# Altium PCB PCB.PcbDoc
Units mil, origin at the board's own origin, x right, y up, seen from the top; angles counter-clockwise.
Board outline 3420 x 2445 mil, 2 copper layers (Top Layer, Bottom Layer); 71 components, 62 nets, 316 pads, 82 vias.
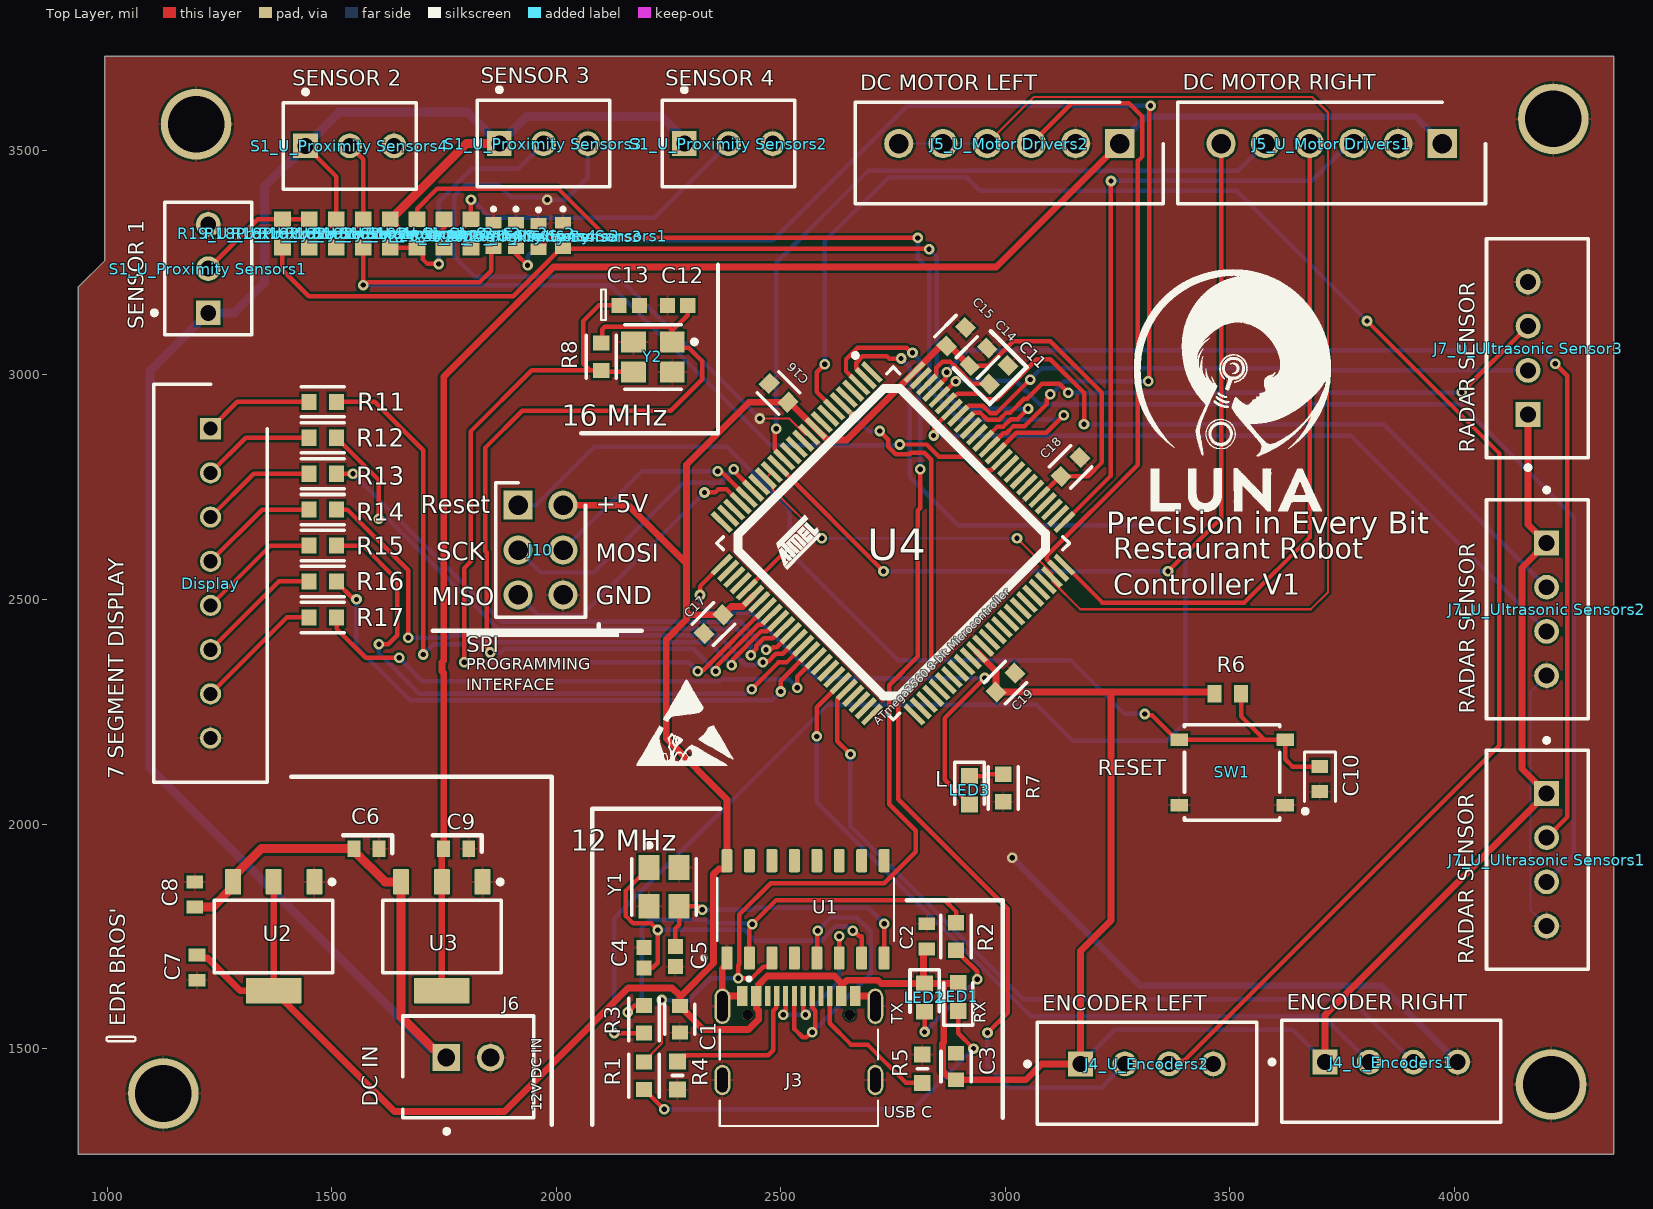
[diagram p0: Top Layer view]
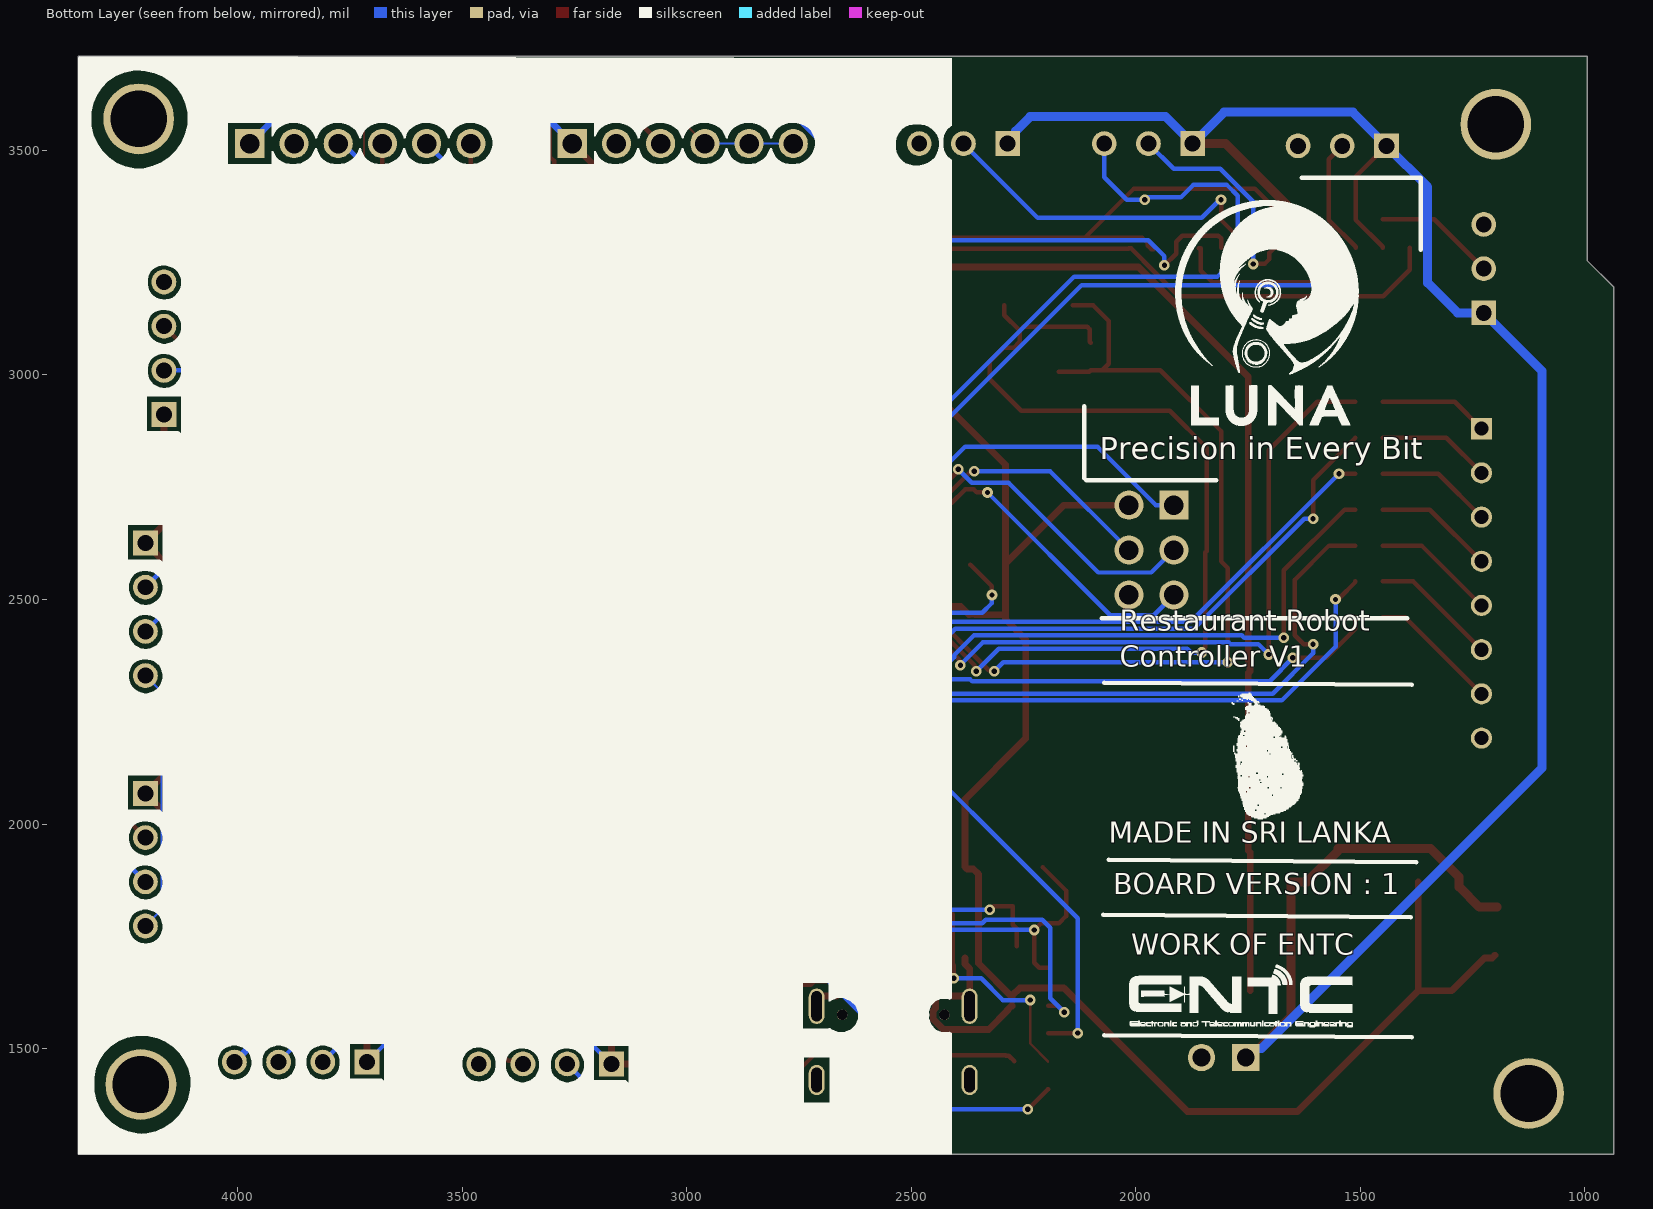
[diagram p1: Bottom Layer view, seen from below]
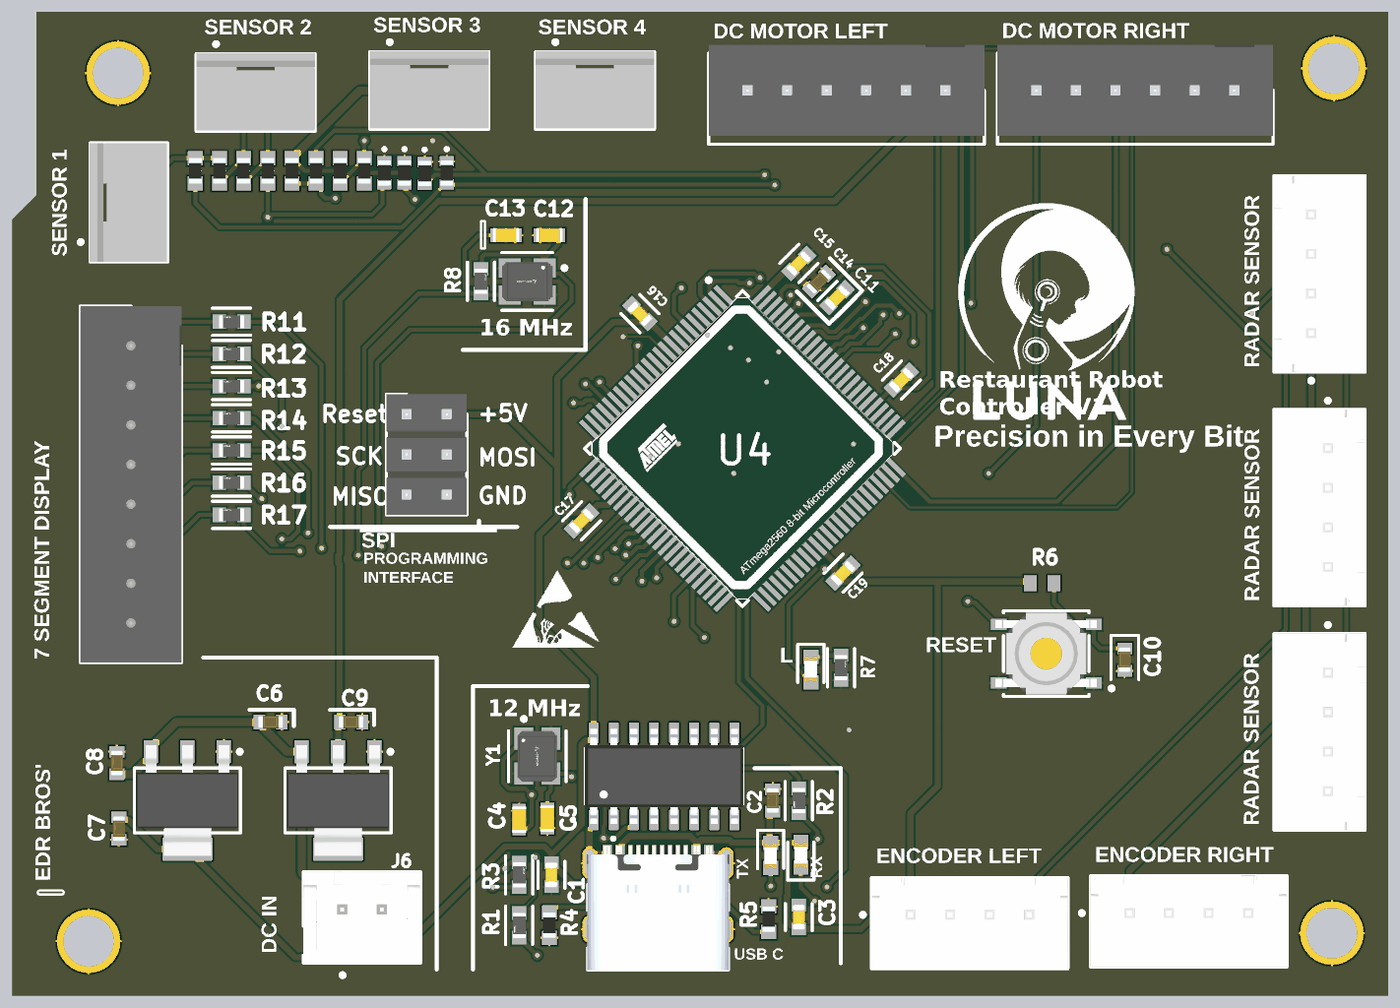
[diagram p2: 3D render of the assembled board from above, using the file's embedded part models]

## Layer stack, top to bottom
Top Solder: solder mask 0.4, Solder Resist, Dk 3.5
Top Layer: signal copper 1.4
Dielectric 1: dielectric 12.6, FR-4, Dk 4.8
Bottom Layer: signal copper 1.4
Bottom Solder: solder mask 0.4, Solder Resist, Dk 3.5

## Board outline
4355,3710 995,3710 995,3255 935,3195 935,1265 4355,1265

## Design rules (kind name [scope] priority, off if disabled: settings)
Clearance [All] p1: gap=5 ignorepadtopadclearanceinfootprint=FALSE except(0: Arc-Hole Track-Hole SMDPad-Hole THPad-Hole Via-Hole Fill-Hole Poly-Hole Region-Hole Text-Hole)
ComponentClearance [All] p1: gap=5 collisioncheckmode=3 verticalgap=5 showdistances=TRUE
DiffPairsRouting [All] p1: maxlimit=5 minlimit=5 mostfreqgap=5 toplayer_minwidth=5 toplayer_maxwidth=71497.95 toplayer_prefwidth=5 bottomlayer_minwidth=5 bottomlayer_maxwidth=71497.95 bottomlayer_prefwidth=5 maxuncoupledlength=500
Height [All] p1: minheight=0 maxheight=71497.94 prefheight=500
HoleSize [All] p1: absolutevalues=TRUE maxlimit=248.03 minlimit=11.81 maxpercent=80.000 minpercent=20.000
HoleToHoleClearance [All] p1: gap=9.84 allowstackedmicrovias=FALSE
MinimumAnnularRing [All] p1: minimumring=5
MinimumSolderMaskSliver [All] p1: minsoldermaskwidth=0
PlaneClearance [All] p1: clearance=5
PlaneConnect [All] p1: planeconnectstyle=Direct reliefexpansion=4 reliefentries=4 reliefconductorwidth=4 reliefairgap=4
PolygonConnect PolygonConnectVias [All vs IsVia] p1: connectstyle=Direct reliefconductorwidth=4 reliefentries=4 polygonreliefangle="90 Angle" airgapwidth=4
PolygonConnect PolygonConnectPowerPads [All vs InPadClass('PowerPads')] p2: connectstyle=Direct reliefconductorwidth=10 reliefentries=4 polygonreliefangle="90 Angle" airgapwidth=10
PolygonConnect [All] p3: connectstyle=Relief reliefconductorwidth=5 reliefentries=4 polygonreliefangle="90 Angle" airgapwidth=5
RoutingVias [All] p1: holewidth=11.81 width=23.62 viastyle="Through Hole" minholewidth=11.81 minwidth=23.62 maxholewidth=248.03 maxwidth=257.87
SilkToSilkClearance [All] p1: silktosilkclearance=0
SilkToSolderMaskClearance [IsPad] p1: minsilkscreentomaskgap=5 clearancetoexposedcopper=TRUE
SolderMaskExpansion [All] p1: expansion=2.95 istentingtop=FALSE
UnpouredPolygon BoardOutlineClearance [All] p2:
Width [All] p1: maxlimit=71497.94 minlimit=5 preferedwidth=5 minimp=50.000000 maximp=50.000000 favimp=50.000000
20 further rules are at their usual default settings.

## Classes and differential pairs
channel class "Ultrasonic Sensors": "U_Ultrasonic Sensor3" "U_Ultrasonic Sensors1" "U_Ultrasonic Sensors2"
channel class "Proximity Sensors": "U_Proximity Sensors1" "U_Proximity Sensors2" "U_Proximity Sensors3" "U_Proximity Sensors4"
component class "U_Proximity Sensors4": "R18_U_Proximity Sensors4" "R19_U_Proximity Sensors4" "R20_U_Proximity Sensors4" "S1_U_Proximity Sensors4"
component class "U_Proximity Sensors3": "R18_U_Proximity Sensors3" "R19_U_Proximity Sensors3" "R20_U_Proximity Sensors3" "S1_U_Proximity Sensors3"
component class "U_Proximity Sensors2": "R18_U_Proximity Sensors2" "R19_U_Proximity Sensors2" "R20_U_Proximity Sensors2" "S1_U_Proximity Sensors2"
component class "U_Proximity Sensors1": "R18_U_Proximity Sensors1" "R19_U_Proximity Sensors1" "R20_U_Proximity Sensors1" "S1_U_Proximity Sensors1"
component class "U_7 segment": Display R11 R12 R13 R14 R15 R16 R17
channel class "Motor Drivers": "U_Motor Drivers1" "U_Motor Drivers2"
channel class Encoders: U_Encoders1 U_Encoders2
component class "U_Ultrasonic Sensor3": "J7_U_Ultrasonic Sensor3"
component class "U_Ultrasonic Sensors1": "J7_U_Ultrasonic Sensors1"
component class "U_Ultrasonic Sensors2": "J7_U_Ultrasonic Sensors2"
component class U_Reset: C10 R6 SW1
component class U_PowerMCU: C6 C7 J6 U2
component class U_Power_Supply_Motor: C8 C9 U3
component class "U_Motor Drivers2": "J5_U_Motor Drivers2"
component class "U_Motor Drivers1": "J5_U_Motor Drivers1"
component class U_Encoders2: J4_U_Encoders2
component class U_Encoders1: J4_U_Encoders1
component class U_Cording: C1 C2 C3 C4 C5 J3 J10 LED1 LED2 R1 R2 R3 R4 R5 U1 Y1
component class MCU: C11 C12 C13 C14 C15 C16 C17 C18 C19 LED3 R7 R8 U4 Y2

## Components (designator, comment, footprint, x,y, rotation, side; value= is the part's Value field where it differs from the comment)
C1 "CC0603KRX7R9BB104" FP-CC0603-DA-MFG 2275,1565 r270 top value="100 nF"
C2 "CL10A106KP8NNNC" CAPC1608X90N 2825,1750 r270 top
C3 "CC0603KRX7R9BB104" FP-CC0603-DA-MFG 2890,1460 r90 top value="100 nF"
C4 "CC0603JRNPO9BN220" CAPC1608X90X40LL10T20 2195,1702.36 r270 top
C5 "CC0603JRNPO9BN220" CAPC1608X90X40LL10T20 2265,1705 r90 top
C6 "CL10A106KP8NNNC" CAPC1608X90N 1577.05,1945 r180 top
C7 "CL10A106KP8NNNC" CAPC1608X90N 1200,1680 r90 top
C8 "CL10A106KP8NNNC" CAPC1608X90N 1195,1842.95 r270 top
C9 "CL10A106KP8NNNC" CAPC1608X90N 1777.05,1945 r180 top
C10 "CL10A106KP8NNNC" CAPC1608X90N 3700,2100 r90 top
C11 "CC0603KRX7R9BB104" FP-CC0603-DA-MFG 2985,3000 r45 top value="100 nF"
C12 "CC0603JRNPO9BN220" CAPC1608X90X40LL10T20 2270,3155 r0 top
C13 "CC0603JRNPO9BN220" CAPC1608X90X40LL10T20 2162.36,3155 r180 top
C14 "CL10A106KP8NNNC" CAPC1608X90N 2940,3040 r225 top
C15 "CC0603KRX7R9BB104" FP-CC0603-DA-MFG 2890,3085 r45 top value="100 nF"
C16 "CC0603KRX7R9BB104" FP-CC0603-DA-MFG 2495,2960 r135 top value="100 nF"
C17 "CC0603KRX7R9BB104" FP-CC0603-DA-MFG 2350,2445 r225 top value="100 nF"
C18 "CC0603KRX7R9BB104" FP-CC0603-DA-MFG 3145,2795 r45 top value="100 nF"
C19 "CC0603KRX7R9BB104" FP-CC0603-DA-MFG 3000,2315 r45 top value="100 nF"
Display "8 PIN" SHDR8W60P0X250_1X8_2250X640X880P 1230,2880.28 r90 top
J3 "TYPE-C-31-M-12" HRO_TYPE-C-31-M-12 2540,1430 r0 top
J4_U_Encoders1 "4 PIN" FP-B4B-XH-A_LF_SN-MFG 3859.21,1449.33 r180 top (schematic designator J4)
J4_U_Encoders2 "4 PIN" FP-B4B-XH-A_LF_SN-MFG 3315,1445 r180 top (schematic designator J4)
"J5_U_Motor Drivers1" "B6B-XH-A_LF__SN_" SHDR6W64P0X250_1X6_1740X575X700P 3972.44,3515 r180 top (schematic designator J5)
"J5_U_Motor Drivers2" "B6B-XH-A_LF__SN_" SHDR6W64P0X250_1X6_1740X575X700P 3254.53,3515 r180 top (schematic designator J5)
J6 "2 PIN" FP-B2B-XH-AM_LF_SN-MFG 1804.21,1459.33 r180 top
"J7_U_Ultrasonic Sensor3" "4 PIN" FP-B4B-XH-A_LF_SN-MFG 4184.33,3059.21 r270 top (schematic designator J7)
"J7_U_Ultrasonic Sensors1" "4 PIN" FP-B4B-XH-A_LF_SN-MFG 4184.33,1920.47 r90 top (schematic designator J7)
"J7_U_Ultrasonic Sensors2" "4 PIN" FP-B4B-XH-A_LF_SN-MFG 4184.33,2478.03 r90 top (schematic designator J7)
J10 "6 Pin" HDRV6W64P254_2X3_762X508X868P 1915,2710 r270 top
LED1 "Red" LEDC1608X55N 2895,1615 r90 top
LED2 "Red" LEDC1608X55N 2820,1613.5 r90 top
LED3 "Red" LEDC1608X55N 2920,2075 r270 top
R1 "AF0603FR-071K5L" FP-AF0603-IPC_B 2195,1439.42 r270 top
R2 "AF0603FR-071K5L" FP-AF0603-IPC_B 2890,1749.42 r270 top
R3 "AF0603FR-071K5L" FP-AF0603-IPC_B 2195,1565 r90 top
R4 "0603WAF5101T5E" RESC1608X55N 2270,1440 r90 top
R5 "0603WAF5101T5E" RESC1608X55N 2815,1455 r90 top
R6 "RC0603JR-0710KL" RESC1608X55X25ML10T15 3495,2290 r180 top
R7 "AF0603FR-071K5L" FP-AF0603-IPC_B 2995,2080 r90 top
R8 "AF0603FR-071K5L" FP-AF0603-IPC_B 2100,3040.58 r90 top
R11 "1.5K" FP-AF0603-IPC_B 1480,2940 r180 top
R12 "1.5K" FP-AF0603-IPC_B 1480,2860 r180 top
R13 "1.5K" FP-AF0603-IPC_B 1480,2780 r180 top
R14 "1.5K" FP-AF0603-IPC_B 1480,2700 r180 top
R15 "1.5K" FP-AF0603-IPC_B 1480,2620 r180 top
R16 "1.5K" FP-AF0603-IPC_B 1480,2540 r180 top
R17 "1.5K" FP-AF0603-IPC_B 1480,2460 r180 top
"R18_U_Proximity Sensors1" "1K" RESC1608X55N 1450,3315 r270 top (schematic designator R18)
"R18_U_Proximity Sensors2" "1K" RESC1608X55N 1750,3315 r90 top (schematic designator R18)
"R18_U_Proximity Sensors3" "1K" RESC1608X55N 1630,3315 r90 top (schematic designator R18)
"R18_U_Proximity Sensors4" "1K" RESC1608X55N 1510,3315 r90 top (schematic designator R18)
"R19_U_Proximity Sensors1" "3.3K" RESC1608X55N 1390,3315 r90 top (schematic designator R19)
"R19_U_Proximity Sensors2" "3.3K" RESC1608X55N 1810,3315 r90 top (schematic designator R19)
"R19_U_Proximity Sensors3" "3.3K" RESC1608X55N 1690,3315 r270 top (schematic designator R19)
"R19_U_Proximity Sensors4" "3.3K" RESC1608X55N 1570,3315 r90 top (schematic designator R19)
"R20_U_Proximity Sensors1" "2.2K" ERJ3EKF1000V 2015,3310 r270 top (schematic designator R20)
"R20_U_Proximity Sensors2" "2.2K" ERJ3EKF1000V 1910,3310 r270 top (schematic designator R20)
"R20_U_Proximity Sensors3" "2.2K" ERJ3EKF1000V 1960,3308.54 r270 top (schematic designator R20)
"R20_U_Proximity Sensors4" "2.2K" ERJ3EKF1000V 1860,3310 r270 top (schematic designator R20)
"S1_U_Proximity Sensors1" "3 PIN" TECO-171825-3_V 1225,3236.57 r90 top (schematic designator S1)
"S1_U_Proximity Sensors2" "3 PIN" TECO-171825-3_V 2383.43,3515 r0 top (schematic designator S1)
"S1_U_Proximity Sensors3" "3 PIN" TECO-171825-3_V 1971.57,3515 r0 top (schematic designator S1)
"S1_U_Proximity Sensors4" "3 PIN" TECO-171825-3_V 1540,3510 r0 top (schematic designator S1)
SW1 "PTS526SK15SMTR2LFS" FP-PTS526SK15SMTR2LFS-MFG 3505,2115 r180 top
U1 "CH340G" SOIC127P600X180-16N 2555,1810 r90 top
U2 "LM1117MPX-5.0" DCY0004A_L 1370.55,1750 r270 top
U3 "LM1117MPX-5.0" DCY0004A_L 1745,1750 r270 top
U4 "ATMEGA2560-16AUR" FP-100A-MFG 2750,2625 r315 top
Y1 "ABM8G-12.000MHZ-18-D2Y-T" FP-ABM8G-MFG 2240,1860 r270 top
Y2 "ABM8G-16.000MHZ-18-D2Y-T" FP-ABM8G-MFG 2215,3040 r180 top

## Footprints (in the part's own frame and the unit in brackets; to place one, negate y for a bottom-side part, rotate by r counter-clockwise, add the part's x,y. Pads: shape width x height; smd on the part's side, far side on the other; paste and mask are expansions set on the pad)
CAPC1608X90N [mm]
  rect 0.73x0.94 smd: 1(-0.71,0) 2(0.71,0)
  body extent -0.8,-0.4 0.8,0.4, height 0.9
CAPC1608X90X40LL10T20 [mm] "Chip Capacitor, 2-Leads, Body 1.7x0.9mm, IPC High Density"
  rect 0.85x0.85 smd: 1(-0.575,0) 2(0.575,0)
  body extent -0.85,-0.45 0.85,0.45, height 0.9
DCY0004A_L [mm] "SOT223, 4-Leads, Body 6.7x3.7mm, Pitch 2.3mm, IPC High Density"
  rrect11% 1.45x0.9 smd: 1(-3.075,2.3) 2(-3.075,0) 3(-3.075,-2.3)
  rrect7% 1.45x3.15 smd: 4(3.075,0)
  silkscreen extent -3.2,-3.35 2.05,3.43, body extent -3.5,-3.25 3.5,3.25, height 1.62
ERJ3EKF1000V [mm]
  rect 0.65x0.9 smd: 1(-0.725,0) 2(0.725,0)
  silkscreen extent -1.6,-0.1 -1.4,0.1, body extent -0.8,-0.4 0.8,0.4, height 0.45
FP-100A-MFG [mm]
  rect 1.5x0.3 smd paste+0 mask+0: 1(-7.7,6) 2(-7.7,5.5) 3(-7.7,5) 4(-7.7,4.5) 5(-7.7,4) 6(-7.7,3.5) 7(-7.7,3) 8(-7.7,2.5) 9(-7.7,2) 10(-7.7,1.5) 11(-7.7,1) 12(-7.7,0.5) 13(-7.7,0) 14(-7.7,-0.5) 15(-7.7,-1) 16(-7.7,-1.5) 17(-7.7,-2) 18(-7.7,-2.5) 19(-7.7,-3) 20(-7.7,-3.5) 21(-7.7,-4) 22(-7.7,-4.5) 23(-7.7,-5) 24(-7.7,-5.5) 25(-7.7,-6) 51(7.7,-6) 52(7.7,-5.5) 53(7.7,-5) 54(7.7,-4.5) 55(7.7,-4) 56(7.7,-3.5) 57(7.7,-3) 58(7.7,-2.5) 59(7.7,-2) 60(7.7,-1.5) 61(7.7,-1) 62(7.7,-0.5) 63(7.7,0) 64(7.7,0.5) 65(7.7,1) 66(7.7,1.5) 67(7.7,2) 68(7.7,2.5) 69(7.7,3) 70(7.7,3.5) 71(7.7,4) 72(7.7,4.5) 73(7.7,5) 74(7.7,5.5) 75(7.7,6)
  rect 0.3x1.5 smd paste+0 mask+0: 26(-6,-7.7) 27(-5.5,-7.7) 28(-5,-7.7) 29(-4.5,-7.7) 30(-4,-7.7) 31(-3.5,-7.7) 32(-3,-7.7) 33(-2.5,-7.7) 34(-2,-7.7) 35(-1.5,-7.7) 36(-1,-7.7) 37(-0.5,-7.7) 38(0,-7.7) 39(0.5,-7.7) 40(1,-7.7) 41(1.5,-7.7) 42(2,-7.7) 43(2.5,-7.7) 44(3,-7.7) 45(3.5,-7.7) 46(4,-7.7) 47(4.5,-7.7) 48(5,-7.7) 49(5.5,-7.7) 50(6,-7.7) 76(6,7.7) 77(5.5,7.7) 78(5,7.7) 79(4.5,7.7) 80(4,7.7) 81(3.5,7.7) 82(3,7.7) 83(2.5,7.7) 84(2,7.7) 85(1.5,7.7) 86(1,7.7) 87(0.5,7.7) 88(0,7.7) 89(-0.5,7.7) 90(-1,7.7) 91(-1.5,7.7) 92(-2,7.7) 93(-2.5,7.7) 94(-3,7.7) 95(-3.5,7.7) 96(-4,7.7) 97(-4.5,7.7) 98(-5,7.7) 99(-5.5,7.7) 100(-6,7.7)
  silkscreen extent -9.15,-7.05 7.05,7.05, body extent -8.55,-8.55 8.55,8.55, height 0.25
FP-ABM8G-MFG [mm]
  rect 1.4x1.2 smd paste+0 mask+0: 1(-1.1,-0.85) 2(1.1,-0.85) 3(1.1,0.85) 4(-1.1,0.85)
  silkscreen extent -2.47,-1.83 1.6,1.83, body extent -1.9,-1.55 1.9,1.55, height 0.25
FP-AF0603-IPC_B [mil]
  rect 33.81x35.91 smd paste+0 mask+0: 1(-30.58,0) 2(30.58,0)
  silkscreen extent -47,-34 47,34, body extent -57,-28 57,28, height 10
FP-B2B-XH-AM_LF_SN-MFG [mm]
  rect 1.55x1.55 hole 1 paste-1000 mask+0: 1(1.25,-0.525)
  round 1.55 hole 1 paste-1000 mask+0: 2(-1.25,-0.525)
  silkscreen extent -3.7,-2.88 3.7,3.77, body extent -3.8,-2.98 3.8,2.98, height 0.25
FP-B4B-XH-A_LF_SN-MFG [mm]
  rect 1.4x1.4 hole 0.9 paste-2539.97 mask+0: 1(3.75,-0.525)
  round 1.4 hole 0.9 paste-2539.97 mask+0: 2(1.25,-0.525) 3(-1.25,-0.525) 4(-3.75,-0.525)
  silkscreen extent -6.2,-2.88 6.87,2.87, body extent -6.3,-2.98 6.3,2.98, height 0.25
FP-CC0603-DA-MFG [mm]
  rect 0.8x0.9 smd paste+0 mask+0: 1(-0.75,0) 2(0.75,0)
  silkscreen extent -0.85,-0.85 0.85,0.85, body extent -1.35,-0.75 1.35,0.75, height 0.25
FP-PTS526SK15SMTR2LFS-MFG [mm]
  rect 1x0.7 smd paste+0 mask+0: 1(-3,1.85) 2(3,1.85) 3(-3,-1.85) 4(3,-1.85)
  silkscreen extent -4.25,-2.7 2.7,2.7, body extent -3.6,-2.8 3.6,2.8, height 0.25
HDRV6W64P254_2X3_762X508X868P [mm]
  rect 1.65x1.65 hole 1.1: 1(0,0)
  round 1.65 hole 1.1: 2(0,2.54) 3(2.54,0) 4(2.54,2.54) 5(5.08,0) 6(5.08,2.54)
  silkscreen extent -1.27,-1.27 6.35,3.81, body extent -1.27,-1.27 6.35,3.81, height 8.68
HRO_TYPE-C-31-M-12 [mm]
  rect 0.6x1.14 smd mask+0.05: A1_B12(-3.2,4.75) A4_B9(-2.4,4.75) B1_A12(3.2,4.75) B4_A9(2.4,4.75)
  rect 0.3x1.14 smd mask+0.05: A5(-1.25,4.75) A6(-0.25,4.75) A7(0.25,4.75) A8(1.25,4.75) B5(1.75,4.75) B6(0.75,4.75) B7(-0.75,4.75) B8(-1.75,4.75)
  oval 0.9x2 hole 0.6 slot 1.7 at 90 deg: S1(-4.325,4.17) S2(4.325,4.17)
  oval 0.9x1.7 hole 0.6 slot 1.4 at 90 deg: S3(-4.325,0) S4(4.325,0)
  round 0.6 hole 0.6 unplated: ""(-2.89,3.68) ""(2.89,3.68)
  silkscreen extent -4.47,-2.6 4.47,5.81, body extent -4.47,-2.6 4.47,5.31, height 3.31
LEDC1608X55N [mm]
  rect 0.9x0.95 smd: 1(-0.8,0) 2(0.8,0)
  silkscreen extent -1.6,-0.82 0.8,0.82, body extent -0.83,-0.4 0.77,0.4, height 0.55
RESC1608X55N [mm]
  rect 0.9x0.95 smd: 1(-0.8,0) 2(0.8,0)
  silkscreen extent 0,-0.3 0,0.3, body extent -0.8,-0.4 0.8,0.4, height 0.55
RESC1608X55X25ML10T15 [mm] "Chip Resistor, 2-Leads, Body 1.60x0.80mm, IPC Low Density"
  rect 0.8x1 smd: 1(-0.75,0) 2(0.75,0)
  body extent -0.85,-0.45 0.85,0.45, height 0.55
SHDR6W64P0X250_1X6_1740X575X700P [mm]
  rect 1.65x1.65 hole 1.1: 1(0,0)
  round 1.65 hole 1.1: 2(2.5,0) 3(5,0) 4(7.5,0) 5(10,0) 6(12.5,0)
  silkscreen extent -2.45,-2.35 14.95,3.4, body extent -2.45,-2.88 14.95,2.88, height 7
SHDR8W60P0X250_1X8_2250X640X880P [mm]
  rect 1.2x1.2 hole 0.8: 1(0,0)
  round 1.2 hole 0.8: 2(-2.5,0) 3(-5,0) 4(-7.5,0) 5(-10,0) 6(-12.5,0) 7(-15,0) 8(-17.5,0)
  silkscreen extent -20,-3.2 2.5,3.2, body extent -20,-3.2 2.5,3.2, height 8.8
SOIC127P600X180-16N [mm]
  rrect25% 1.31x0.62 smd: 1(-2.75,4.445) 2(-2.75,3.175) 3(-2.75,1.905) 4(-2.75,0.635) 5(-2.75,-0.635) 6(-2.75,-1.905) 7(-2.75,-3.175) 8(-2.75,-4.445) 9(2.75,-4.445) 10(2.75,-3.175) 11(2.75,-1.905) 12(2.75,-0.635) 13(2.75,0.635) 14(2.75,1.905) 15(2.75,3.175) 16(2.75,4.445)
  silkscreen extent -2.85,-5 1.78,5.85, body extent -3,-5 3,5, height 1.8
TECO-171825-3_V [mm] "Connector, 3-Leads, Body 4.9x7.5mm, Pitch 2.5mm"
  rect 1.4x1.4 hole 0.9: 1(-2.5,0)
  round 1.4 hole 0.9: 2(0,0) 3(2.5,0)
  silkscreen extent -3.75,-2.45 3.75,3.17, body extent -3.75,-2.4 3.75,2.5, height 10.4
